# KiCad board RP2040_Akko_M1_Like.kicad_pcb (continued)
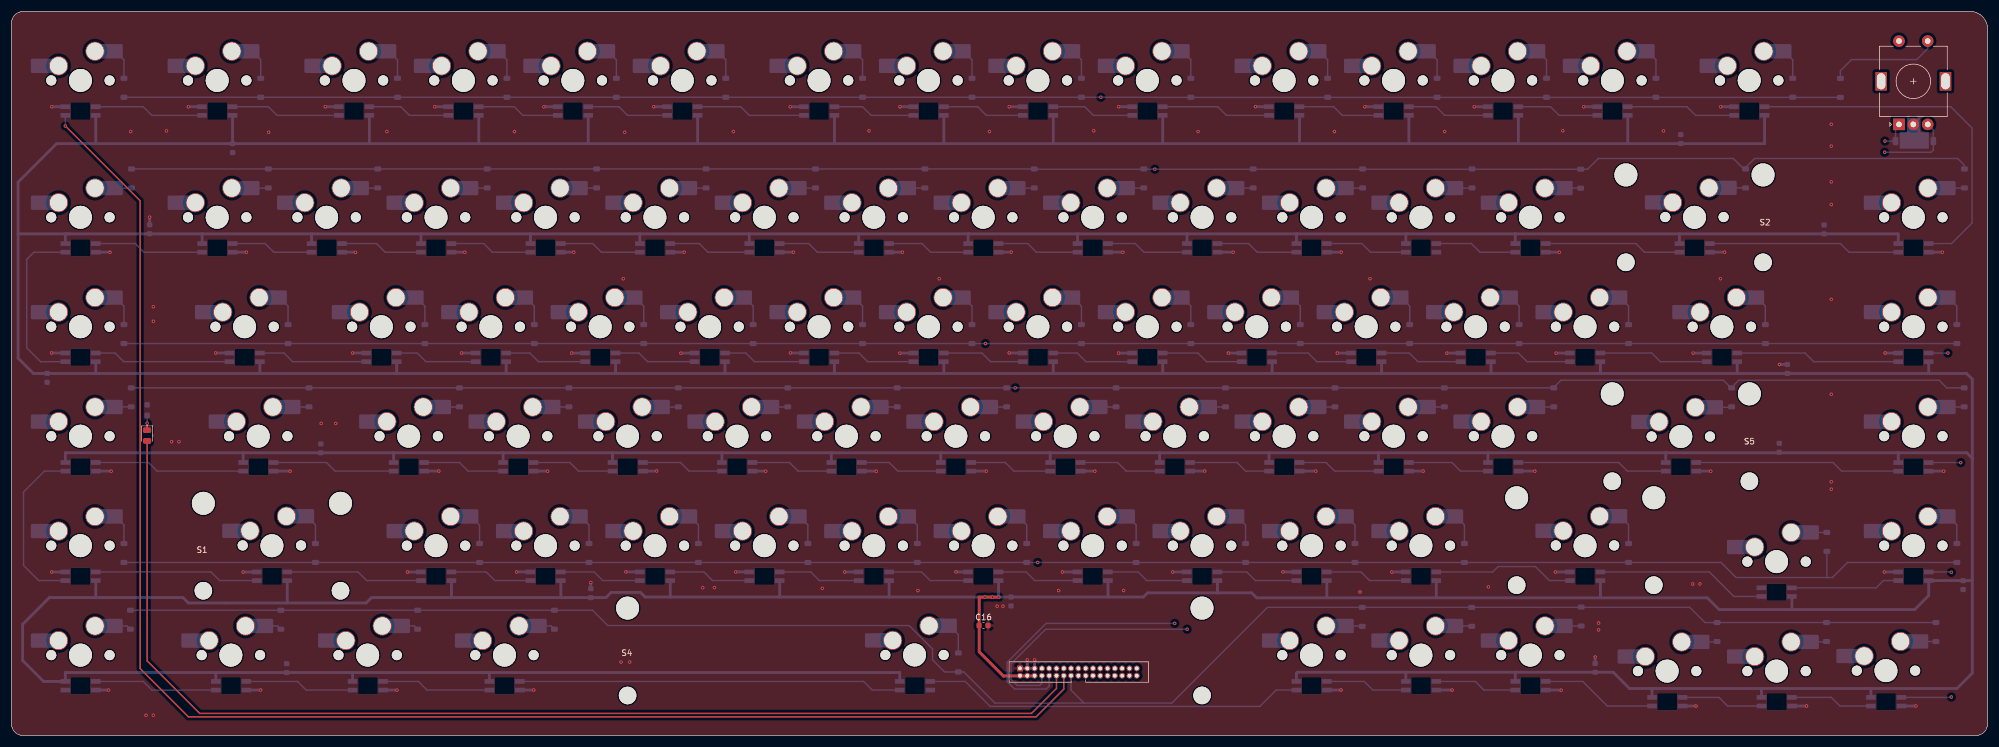
[diagram p0: board, top side]
## Routing (per net, layer and track width the routed paths; a pad name or vN(x,y) marks a point on that pad's centre or on a via; arc(x,y) is an arc through that point) (continued)
Net-(D27-A): length 2.7
  Bottom w0.25: MX27.2 235.06,95.27
Net-(D28-A): length 2.7
  Bottom w0.25: MX28.2 254.11,95.27
Net-(D29-A): length 2.6
  Bottom w0.25: MX29.2 273.15,95.27
Net-(D30-A): length 2.5
  Bottom w0.25: MX30.2 301.57,95.31
Net-(D31-A): length 2.7
  Bottom w0.25: MX31.2 339.88,95.27
Net-(D32-A): length 5.3
  Bottom w0.25: D32.2 19.58,74.73 MX32.2
Net-(D33-A): length 5.3
  Bottom w0.25: MX33.2 48.15,74.73 D33.2
Net-(D34-A): length 5.3
  Bottom w0.25: D34.2 71.96,74.73 MX34.2
Net-(D35-A): length 5.3
  Bottom w0.25: MX35.2 91.01,74.73 D35.2
Net-(D36-A): length 5.3
  Bottom w0.25: MX36.2 110.06,74.73 D36.2
Net-(D37-A): length 5.3
  Bottom w0.25: D37.2 129.11,74.73 MX37.2
Net-(D38-A): length 5.3
  Bottom w0.25: MX38.2 148.16,74.73 D38.2
Net-(D39-A): length 5.3
  Bottom w0.25: MX39.2 167.21,74.73 D39.2
Net-(D40-A): length 5.3
  Bottom w0.25: MX40.2 186.26,74.73 D40.2
Net-(D41-A): length 5.3
  Bottom w0.25: D41.2 205.31,74.73 MX41.2
Net-(D42-A): length 5.3
  Bottom w0.25: MX42.2 224.36,74.73 D42.2
Net-(D43-A): length 5.3
  Bottom w0.25: D43.2 243.41,74.73 MX43.2
Net-(D44-A): length 5.3
  Bottom w0.25: MX44.2 262.46,74.73 D44.2
Net-(D45-A): length 5.3
  Bottom w0.25: D45.2 281.51,74.73 MX45.2
Net-(D46-A): length 5.3
  Bottom w0.25: MX46.2 305.33,74.73 D46.2
Net-(D47-A): length 5.3
  Bottom w0.25: D47.2 338.66,74.73 MX47.2
Net-(D48-A): length 2.6
  Bottom w0.25: 20.75,57.2 18.12,57.2
Net-(D49-A): length 2.6
  Bottom w0.25: MX49.2 51.67,57.17
Net-(D50-A): length 2.6
  Bottom w0.25: MX50.2 77.87,57.17
Net-(D51-A): length 2.6
  Bottom w0.25: MX51.2 96.92,57.17
Net-(D52-A): length 2.8
  Bottom w0.25: D52.2 116.06,57.17 MX52.2
Net-(D53-A): length 2.6
  Bottom w0.25: MX53.2 135.02,57.17
Net-(D54-A): length 2.6
  Bottom w0.25: MX54.2 154.07,57.17
Net-(D55-A): length 2.6
  Bottom w0.25: MX55.2 173.12,57.17
Net-(D56-A): length 2.6
  Bottom w0.25: MX56.2 192.17,57.17
Net-(D57-A): length 2.6
  Bottom w0.25: MX57.2 211.22,57.17
Net-(D58-A): length 2.6
  Bottom w0.25: MX58.2 230.27,57.17
Net-(D59-A): length 2.6
  Bottom w0.25: 246.69,57.17 249.32,57.17
Net-(D60-A): length 2.6
  Bottom w0.25: MX60.2 268.37,57.17
Net-(D61-A): length 2.6
  Bottom w0.25: MX61.2 299.27,57.12
Net-(D62-A): length 2.6
  Bottom w0.25: MX62.2 339.81,57.17
Net-(D63-A): length 5.3
  Bottom w0.25: D63.2 19.58,36.63 MX63.2
Net-(D64-A): length 5.4
  Bottom w0.25: MX64.2 52.91,36.66 D64.2
Net-(D65-A): length 5.3
  Bottom w0.25: D65.2 81.49,36.63 MX65.2
Net-(D66-A): length 5.3
  Bottom w0.25: MX66.2 100.54,36.63 D66.2
Net-(D67-A): length 5.3
  Bottom w0.25: D67.2 119.59,36.63 MX67.2
Net-(D68-A): length 5.3
  Bottom w0.25: D68.2 138.64,36.63 MX68.2
Net-(D69-A): length 5.3
  Bottom w0.25: MX69.2 157.69,36.63 D69.2
Net-(D70-A): length 5.3
  Bottom w0.25: D70.2 176.74,36.63 MX70.2
Net-(D71-A): length 5.3
  Bottom w0.25: D71.2 195.79,36.63 MX71.2
Net-(D72-A): length 5.3
  Bottom w0.25: D72.2 214.84,36.63 MX72.2
Net-(D73-A): length 5.3
  Bottom w0.25: MX73.2 233.89,36.63 D73.2
Net-(D74-A): length 5.3
  Bottom w0.25: MX74.2 252.94,36.63 D74.2
Net-(D75-A): length 5.4
  Bottom w0.25: D75.2 281.51,36.66 MX75.2
Net-(D76-A): length 2.8
  Bottom w0.25: MX76.2 316.16,35.34
Net-(D77-A): length 5.3
  Bottom w0.25: D77.2 338.66,36.63 MX77.2
Net-(D78-A): length 2.8
  Bottom w0.25: D78.2 20.13,19.07 MX78.2
Net-(D79-A): length 2.8
  Bottom w0.25: D79.2 46.33,19.07 MX79.2
Net-(D80-A): length 2.8
  Bottom w0.25: D80.2 70.14,19.07 MX80.2
Net-(D81-A): length 2.8
  Bottom w0.25: MX81.2 93.95,19.07 D81.2
Net-(D82-A): length 5.4
  Bottom w0.25: D82.2 164.83,17.56 MX82.2
Net-(D83-A): length 2.7
  Bottom w0.25: MX83.2 235.08,19.07
Net-(D84-A): length 2.7
  Bottom w0.25: MX84.2 254.13,19.07
Net-(D85-A): length 2.7
  Bottom w0.25: MX85.2 273.18,19.07
Net-(D86-A): length 2.5
  Bottom w0.25: MX86.2 296.85,16.29
Net-(D87-A): length 2.5
  Bottom w0.25: MX87.2 315.9,16.29
Net-(D88-A): length 2.6
  Bottom w0.25: MX88.2 335.01,16.37
Net-(D89-A): length 19.4
  Bottom w0.25: D89.2 318.39,115.69 320.33,117.63 331.68,117.63 333.59,119.54 ROTARY1.S1
Net-(LED1-K): length 2.6
  Top w0.25: LED1.1 v1(23.62,54.34)
  Bottom w0.25: v1(23.62,54.34) R1.1
Net-(RGB1-DOUT): length 19.1
  Bottom w0.25: RGB2.4 24.43,107.93 22.93,109.43 RGB1.2
Net-(RGB2-DOUT): length 19.1
  Bottom w0.25: RGB3.4 46.23,107.93 44.73,109.43 RGB2.2
Net-(RGB3-DOUT): length 14.4
  Bottom w0.25: RGB4.4 69.28,107.93 67.78,109.43 62.3,109.43
Net-(RGB4-DOUT): length 14.4
  Bottom w0.25: RGB5.4 89.03,107.93 87.53,109.43 RGB4.2
Net-(RGB5-DOUT): length 14.4
  Bottom w0.25: RGB5.2 105.75,109.43 107.25,107.93 RGB6.4
Net-(RGB6-DOUT): length 19.1
  Bottom w0.25: RGB7.4 128.45,107.93 126.95,109.43 RGB6.2
Net-(RGB7-DOUT): length 14.4
  Bottom w0.25: RGB7.2 148.15,109.43 149.65,107.93 RGB8.4
Net-(RGB8-DOUT): length 14.4
  Bottom w0.25: RGB9.4 169.7,107.93 168.2,109.43 RGB8.2
Net-(RGB10-DIN): length 14.4
  Bottom w0.25: RGB10.4 188.35,107.93 186.85,109.43 RGB9.2
Net-(RGB10-DOUT): length 19.1
  Bottom w0.25: RGB11.4 211.5,107.93 210,109.43 RGB10.2
Net-(RGB11-DOUT): length 14.4
  Bottom w0.25: RGB11.2 230.18,109.43 231.68,107.93 RGB12.4
Net-(RGB12-DOUT): length 14.4
  Bottom w0.25: RGB13.4 249.5,107.93 248,109.43 RGB12.2
Net-(RGB13-DOUT): length 14.4
  Bottom w0.25: RGB14.4 269.43,107.93 267.93,109.43 RGB13.2
Net-(RGB14-DOUT): length 19.1
  Bottom w0.25: RGB15.4 293.18,107.93 291.68,109.43 RGB14.2
Net-(RGB15-DOUT): length 63.2
  Bottom w0.25: RGB31.4 337.73,85.61 341.31,89.19 341.31,105.71 337.6,109.43 RGB15.2
Net-(RGB16-DIN): length 19.1
  Bottom w0.25: RGB17.2 23.06,84.11 21.56,85.61 RGB16.4
Net-(RGB16-DOUT): length 30.4
  Bottom w0.25: RGB32.4 5.06,65.06 2.65,67.47 2.65,82.85 3.91,84.11 RGB16.2
Net-(RGB17-DIN): length 14.4
  Bottom w0.25: RGB17.4 44.16,85.61 45.66,84.11 RGB18.2
Net-(RGB18-DIN): length 14.4
  Bottom w0.25: RGB19.2 65.04,84.11 63.54,85.61 RGB18.4
Net-(RGB19-DIN): length 14.4
  Bottom w0.25: RGB20.2 83.71,84.11 82.21,85.61 RGB19.4
Net-(RGB20-DIN): length 14.4
  Bottom w0.25: RGB21.2 102.69,84.11 101.19,85.61 RGB20.4
Net-(RGB21-DIN): length 14.4
  Bottom w0.25: RGB22.2 121.24,84.11 119.74,85.61 RGB21.4
Net-(RGB22-DIN): length 14.4
  Bottom w0.25: RGB22.4 138.79,85.61 140.29,84.11 RGB23.2
Net-(RGB23-DIN): length 14.4
  Bottom w0.25: RGB23.4 158.51,85.61 160.01,84.11 RGB24.2
Net-(RGB24-DIN): length 14.4
  Bottom w0.25: RGB25.2 178.41,84.11 176.91,85.61 RGB24.4
Net-(RGB25-DIN): length 14.4
  Bottom w0.25: RGB26.2 197.14,84.11 195.64,85.61 RGB25.4
Net-(RGB26-DIN): length 14.4
  Bottom w0.25: RGB27.2 216.86,84.11 215.36,85.61 RGB26.4
Net-(RGB27-DIN): length 14.4
  Bottom w0.25: RGB28.2 236.59,84.11 235.09,85.61 RGB27.4
Net-(RGB28-DIN): length 14.4
  Bottom w0.25: RGB29.2 255.64,84.11 254.14,85.61 RGB28.4
Net-(RGB29-DIN): length 23.9
  Bottom w0.25: RGB29.4 282.79,85.61 284.29,84.11 RGB30.2
Net-(RGB30-DIN): length 33.4
  Bottom w0.25: RGB31.2 319.89,84.11 318.39,85.61 RGB30.4
Net-(RGB32-DOUT): length 23.9
  Bottom w0.25: RGB32.2 18.04,66.56 19.54,65.06 RGB33.4
Net-(RGB33-DOUT): length 19.1
  Bottom w0.25: RGB34.4 48.94,65.06 47.44,66.56 RGB33.2
Net-(RGB34-DOUT): length 14.4
  Bottom w0.25: RGB35.4 72.14,65.06 70.64,66.56 RGB34.2
Net-(RGB35-DOUT): length 14.4
  Bottom w0.25: RGB36.4 91.74,65.06 90.24,66.56 RGB35.2
Net-(RGB36-DOUT): length 14.4
  Bottom w0.25: RGB37.4 110.74,65.06 109.24,66.56 RGB36.2
Net-(RGB37-DOUT): length 14.4
  Bottom w0.25: RGB38.4 129.34,65.06 127.84,66.56 RGB37.2
Net-(RGB38-DOUT): length 14.4
  Bottom w0.25: RGB39.4 149.04,65.06 147.54,66.56 RGB38.2
Net-(RGB39-DOUT): length 14.4
  Bottom w0.25: RGB39.2 168.94,66.56 170.44,65.06 RGB40.4
Net-(RGB40-DOUT): length 14.4
  Bottom w0.25: RGB41.4 187.04,65.06 185.54,66.56 RGB40.2
Net-(RGB41-DOUT): length 14.4
  Bottom w0.25: RGB42.4 208.04,65.06 206.54,66.56 RGB41.2
Net-(RGB42-DOUT): length 14.4
  Bottom w0.25: RGB42.2 225.74,66.56 227.24,65.06 RGB43.4
Net-(RGB43-DOUT): length 14.4
  Bottom w0.25: RGB44.4 244.84,65.06 243.34,66.56 RGB43.2
Net-(RGB44-DOUT): length 14.4
  Bottom w0.25: RGB44.2 262.34,66.56 263.84,65.06 RGB45.4
Net-(RGB45-DOUT): length 19.1
  Bottom w0.25: RGB45.2 285.54,66.56 287.04,65.06 RGB46.4
Net-(RGB46-DOUT): length 28.7
  Bottom w0.25: RGB47.4 313.73,65.06 312.23,66.56 RGB46.2
Net-(RGB47-DOUT): length 28.9
  In1.Cu w0.25: v1(339.34,47.49) 339.34,64.32 v1(337.1,66.56)
  Bottom w0.25: RGB62.4 339.33,47.5 v1(339.34,47.49) ; RGB47.2 v1(337.1,66.56)
Net-(RGB48-DIN): length 26.3
  Bottom w0.25: RGB48.4 23.86,47.51 25.36,46.01 RGB49.2
Net-(RGB48-DOUT): length 29.9
  Bottom w0.25: RGB63.4 4.74,26.96 2.09,29.61 2.09,42.37 5.73,46.01 RGB48.2
Net-(RGB49-DIN): length 21.5
  Bottom w0.25: RGB49.4 54.84,47.51 56.34,46.01 RGB50.2
Net-(RGB50-DIN): length 14.4
  Bottom w0.25: RGB51.2 79.48,46.01 77.98,47.51 RGB50.4
Net-(RGB51-DIN): length 14.4
  Bottom w0.25: RGB52.2 98.71,46.01 97.21,47.51 RGB51.4
Net-(RGB52-DIN): length 14.4
  Bottom w0.25: RGB52.4 116.46,47.51 117.96,46.01 RGB53.2
Net-(RGB53-DIN): length 14.4
  Bottom w0.25: RGB54.2 136.94,46.01 135.44,47.51 RGB53.4
Net-(RGB54-DIN): length 14.4
  Bottom w0.25: RGB54.4 152.79,47.51 154.29,46.01 RGB55.2
Net-(RGB55-DIN): length 14.4
  Bottom w0.25: RGB56.2 174.51,46.01 173.01,47.51 RGB55.4
Net-(RGB56-DIN): length 14.4
  Bottom w0.25: RGB56.4 192.56,47.51 194.06,46.01 RGB57.2
Net-(RGB57-DIN): length 14.4
  Bottom w0.25: RGB57.4 213.36,47.51 214.86,46.01 RGB58.2
Net-(RGB58-DIN): length 14.4
  Bottom w0.25: RGB58.4 228.86,47.51 230.36,46.01 RGB59.2
Net-(RGB59-DIN): length 14.4
  Bottom w0.25: RGB60.2 252.26,46.01 250.76,47.51 RGB59.4
Net-(RGB60-DIN): length 26.3
  Bottom w0.25: RGB61.2 281.31,46.01 279.81,47.51 RGB60.4
Net-(RGB61-DIN): length 35.8
  Bottom w0.25: 328.46,46.01 318.61,46.01 317.11,47.51 RGB61.4
Net-(RGB63-DOUT): length 28.7
  Bottom w0.25: RGB64.4 36.24,26.96 34.74,28.46 RGB63.2
Net-(RGB64-DOUT): length 23.9
  Bottom w0.25: RGB64.2 60.34,28.46 61.84,26.96 RGB65.4
Net-(RGB65-DOUT): length 14.4
  Bottom w0.25: RGB65.2 82.64,28.46 84.14,26.96 RGB66.4
Net-(RGB66-DOUT): length 14.4
  Bottom w0.25: RGB66.2 101.44,28.46 102.94,26.96 RGB67.4
Net-(RGB67-DOUT): length 14.4
  Bottom w0.25: RGB68.4 122.04,26.96 120.54,28.46 RGB67.2
Net-(RGB68-DOUT): length 14.4
  Bottom w0.25: RGB69.4 140.64,26.96 139.14,28.46 RGB68.2
Net-(RGB69-DOUT): length 14.4
  Bottom w0.25: RGB70.4 159.94,26.96 158.44,28.46 RGB69.2
Net-(RGB70-DOUT): length 14.4
  Bottom w0.25: RGB70.2 176.64,28.46 178.14,26.96 RGB71.4
Net-(RGB71-DOUT): length 14.4
  Bottom w0.25: RGB72.4 197.64,26.96 196.14,28.46 RGB71.2
Net-(RGB72-DOUT): length 14.4
  Bottom w0.25: RGB72.2 215.04,28.46 216.54,26.96 RGB73.4
Net-(RGB73-DOUT): length 14.4
  Bottom w0.25: RGB73.2 234.94,28.46 236.44,26.96 RGB74.4
Net-(RGB74-DOUT): length 24.7
  Bottom w0.25: RGB75.4 267.74,26.96 265.3,29.4 258.8,29.4 257.86,28.46 RGB74.2
Net-(RGB75-DOUT): length 29.8
  Bottom w0.25: RGB75.2 295.58,28.46 299.84,24.2 RGB76.4
Net-(RGB76-DOUT): length 19
  Bottom w0.25: RGB76.2 324.61,25.7 325.87,26.96 RGB77.4
Net-(RGB77-DOUT): length 34.4
  In1.Cu w0.25: v1(337.7,6.7) v1(337.7,28.4)
  Bottom w0.25: RGB77.2 337.64,28.46 v1(337.7,28.4) ; v1(337.7,6.7) 337.63,6.63 RGB88.4
Net-(RGB78-DIN): length 21.5
  Bottom w0.25: RGB78.4 22.94,9.41 24.44,7.91 RGB79.2
Net-(RGB79-DIN): length 19.1
  Bottom w0.25: RGB79.4 49.79,9.41 51.29,7.91 RGB80.2
Net-(RGB80-DIN): length 19.1
  Bottom w0.25: RGB81.2 72.34,7.91 70.84,9.41 RGB80.4
Net-(RGB81-DIN): length 66.8
  Bottom w0.25: RGB81.4 148.34,9.41 149.84,7.91 RGB82.2
Net-(RGB82-DIN): length 66.7
  Bottom w0.25: RGB83.2 220.16,7.91 217.32,5.07 170.38,5.07 166.04,9.41 RGB82.4
Net-(RGB83-DIN): length 14.4
  Bottom w0.25: RGB84.2 237,7.91 235.5,9.41 RGB83.4
Net-(RGB84-DIN): length 14.4
  Bottom w0.25: RGB84.4 254.83,9.41 256.33,7.91 RGB85.2
Net-(RGB85-DIN): length 20.3
  Bottom w0.25: RGB85.4 273.54,9.41 277.82,5.13 285.6,5.13
Net-(RGB86-DIN): length 14.4
  Bottom w0.25: RGB87.2 298.76,5.13 297.26,6.63 RGB86.4
Net-(RGB87-DIN): length 14.4
  Bottom w0.25: RGB88.2 318.31,5.13 316.81,6.63 RGB87.4

## Copper pours and planes (outline as drawn; the poured copper is in the pictures)
GND on Bottom (solid shape): 330.06,107.4 330.06,105 328.76,105 328.76,102.2 333.76,102.2 333.76,105 332.26,105 332.26,107.4
GND on Top, Bottom: -1,127 -1,-1 345,-1 345,127

## Text on the board
B.Silkscreen: C0 | R_B | C1 | R_A | C2 | CAPS | DATA | C3 | C4 | R5 | C5 | R4 | C6 | R3 | C7 | R2 | C8 | R1 | C9 | R0 | C10 | C17 | C11 | C16 | C15 | C12 | C14 | C13 | VBUS | GND | RP2040 OR STM32F411 / Keyboard Modules | Michael O'Toole 2025 | Echo Keyboard AKL Rev 1.0 | Echo HS 99 Key Keyboard ~80% (10 Macro Keys) & Rotary Encoder
